# Altium PCB TestMod_SEAx_Baseboard.PcbDoc (part 1 of 2) (continued)
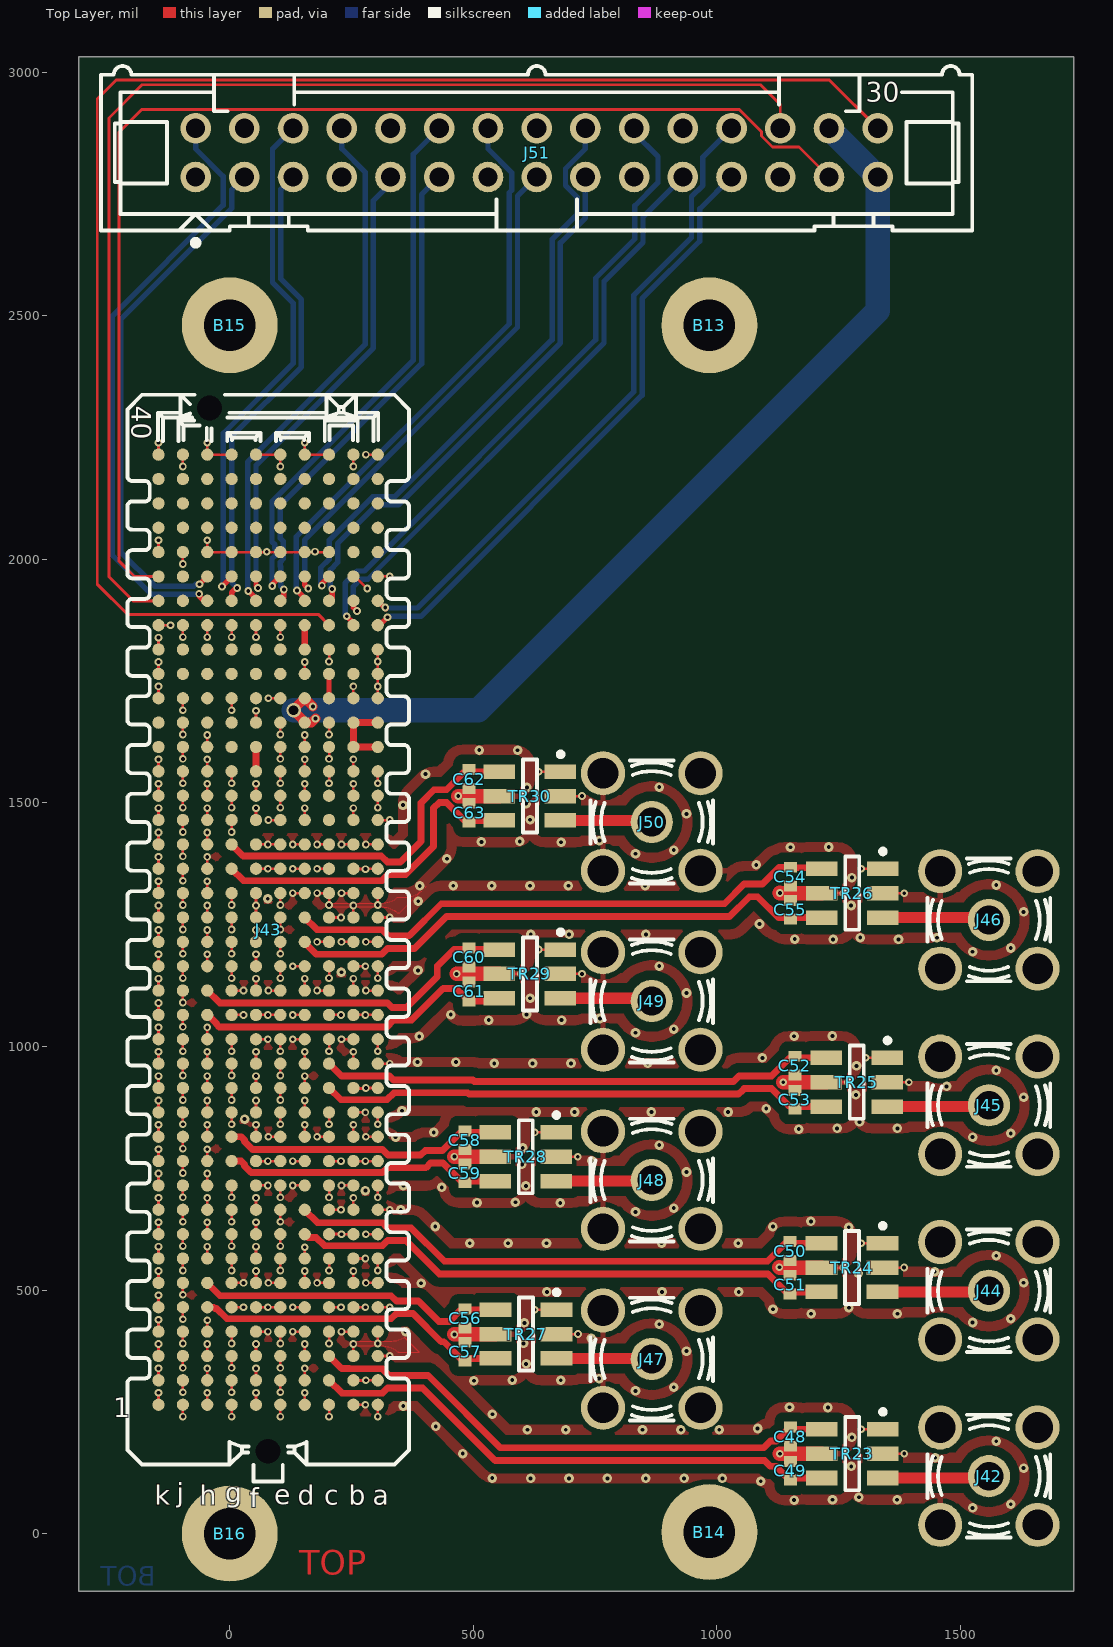
[diagram p0: Top Layer view]
## Design rules (kind name [scope] priority, off if disabled: settings) (continued)
DiffPairsRouting "Schematic Differential Pairs Routing_8" [InNet('LVDS3_P')] p25: maxlimit=6 minlimit=6 mostfreqgap=6 toplayer_minwidth=11 toplayer_maxwidth=11 toplayer_prefwidth=11 bottomlayer_minwidth=11 bottomlayer_maxwidth=11 bottomlayer_prefwidth=11 maxuncoupledlength=500
DiffPairsRouting "Schematic Differential Pairs Routing_7" [InNet('LVDS4_N')] p26: maxlimit=6 minlimit=6 mostfreqgap=6 toplayer_minwidth=11 toplayer_maxwidth=11 toplayer_prefwidth=11 bottomlayer_minwidth=11 bottomlayer_maxwidth=11 bottomlayer_prefwidth=11 maxuncoupledlength=500
DiffPairsRouting "Schematic Differential Pairs Routing_6" [InNet('LVDS4_P')] p27: maxlimit=6 minlimit=6 mostfreqgap=6 toplayer_minwidth=11 toplayer_maxwidth=11 toplayer_prefwidth=11 bottomlayer_minwidth=11 bottomlayer_maxwidth=11 bottomlayer_prefwidth=11 maxuncoupledlength=500
DiffPairsRouting "Schematic Differential Pairs Routing_5" [InNet('LVDS5_N')] p28: maxlimit=6 minlimit=6 mostfreqgap=6 toplayer_minwidth=11 toplayer_maxwidth=11 toplayer_prefwidth=11 bottomlayer_minwidth=11 bottomlayer_maxwidth=11 bottomlayer_prefwidth=11 maxuncoupledlength=500
DiffPairsRouting "Schematic Differential Pairs Routing_4" [InNet('LVDS5_P')] p29: maxlimit=6 minlimit=6 mostfreqgap=6 toplayer_minwidth=11 toplayer_maxwidth=11 toplayer_prefwidth=11 bottomlayer_minwidth=11 bottomlayer_maxwidth=11 bottomlayer_prefwidth=11 maxuncoupledlength=500
DiffPairsRouting "Schematic Differential Pairs Routing_3" [InNet('LVDS6_N')] p30: maxlimit=6 minlimit=6 mostfreqgap=6 toplayer_minwidth=11 toplayer_maxwidth=11 toplayer_prefwidth=11 bottomlayer_minwidth=11 bottomlayer_maxwidth=11 bottomlayer_prefwidth=11 maxuncoupledlength=500
DiffPairsRouting "Schematic Differential Pairs Routing_2" [InNet('LVDS6_P')] p31: maxlimit=6 minlimit=6 mostfreqgap=6 toplayer_minwidth=11 toplayer_maxwidth=11 toplayer_prefwidth=11 bottomlayer_minwidth=11 bottomlayer_maxwidth=11 bottomlayer_prefwidth=11 maxuncoupledlength=500
DiffPairsRouting "Schematic Differential Pairs Routing_1" [InNet('LVDS7_N')] p32: maxlimit=6 minlimit=6 mostfreqgap=6 toplayer_minwidth=11 toplayer_maxwidth=11 toplayer_prefwidth=11 bottomlayer_minwidth=11 bottomlayer_maxwidth=11 bottomlayer_prefwidth=11 maxuncoupledlength=500
DiffPairsRouting "Schematic Differential Pairs Routing" [InNet('LVDS7_P')] p33: maxlimit=6 minlimit=6 mostfreqgap=6 toplayer_minwidth=11 toplayer_maxwidth=11 toplayer_prefwidth=11 bottomlayer_minwidth=11 bottomlayer_maxwidth=11 bottomlayer_prefwidth=11 maxuncoupledlength=500
FabricationTestPointUsage TestPointUsage [All] p1: valid=0 allowmultiple=FALSE
FabricationTestpoint Testpoint [(IsPad And (OnTopLayer Or OnBottomLayer))] p1: side=3 testpointundercomponent=TRUE minsize=40 maxsize=100 preferedsize=60 minholesize=0 maxholesize=40 preferedholesize=32 testpointgrid=1 allowsidetop=TRUE allowsidebottom=TRUE usegrid=TRUE gridtolerance=0.01
Height Height_Top [OnTop] p1: minheight=0 maxheight=500 prefheight=350
Height Height_Bot [OnBottom] p2: minheight=0 maxheight=65 prefheight=52
HoleSize [All] p1: absolutevalues=TRUE maxlimit=1000 minlimit=1 maxpercent=80.000 minpercent=20.000
HoleToHoleClearance [All] p1: gap=5 allowstackedmicrovias=TRUE
Length [InNetClass('ADC0_D') or InNetClass('ADC1_D') or InNetClass('ADC1_D') or InNetClass('ADC3_D')] p1 off: maxlimit=688.98 minlimit=531.5
MatchedLengths [InNetClass('ADC0_D') or InNetClass('ADC1_D') or InNetClass('ADC1_D') or InNetClass('ADC3_D')] p1 off: tolerance=39.37 checknetsindiffpair=TRUE checkdiffpairvsdiffpair=FALSE checkxsignals=FALSE checkothers=FALSE
MaxMinImpedance "Schematic Impedance Constraint_1" [InNetClass('Z50R')] p1: minimum=49.00 maximum=51.00
MinimumSolderMaskSliver [All] p1 off: minsoldermaskwidth=1
PlaneClearance [All] p1: clearance=8
PlaneConnect Vias_Plane [IsVia] p1: planeconnectstyle=Direct reliefexpansion=20 reliefentries=4 reliefconductorwidth=10 reliefairgap=10
PlaneConnect PlaneConnect_LEMO [(InComponent('J1') OR  InComponent('J2') OR  InComponent('J3') OR  InComponent('J4') OR  InComponent('J5') )] p2: planeconnectstyle=Relief reliefexpansion=20 reliefentries=4 reliefconductorwidth=9.84 reliefairgap=10
PlaneConnect PlaneConnect_1 [All] p3: planeconnectstyle=Relief reliefexpansion=5 reliefentries=4 reliefconductorwidth=6 reliefairgap=8
PolygonConnect Direc [InPadClass(Direc)] p1: connectstyle=Direct reliefconductorwidth=10 reliefentries=4 polygonreliefangle="90 Angle" airgapwidth=10
PolygonConnect Vias [IsVia] p2: connectstyle=Direct reliefconductorwidth=10 reliefentries=4 polygonreliefangle="90 Angle" airgapwidth=10
PolygonConnect PolygonConnect_LEMO [(InComponent('J1') OR InComponent('J2') OR InComponent('J3') OR InComponent('J4') OR InComponent('J5'))] p3: connectstyle=Relief reliefconductorwidth=9.84 reliefentries=4 polygonreliefangle="90 Angle" airgapwidth=10
PolygonConnect PolygonConnect_1 [All] p4: connectstyle=Relief reliefconductorwidth=10 reliefentries=4 polygonreliefangle="90 Angle" airgapwidth=10
RoomDefinition TestMod_SEAx_Base [InComponentClass('TestMod_SEAx_Base')] p1 off: confinementstyle=ConfineIn formatcopy=TRUE lockcomponents=FALSE outline -1172.32,1787.6 -522.32,1787.6 -522.32,2522.6 -1172.32,2522.6
RoutingVias [All] p1: holewidth=7.87 width=15.75 viastyle="Through Hole" minholewidth=7.87 minwidth=15.75 maxholewidth=15.75 maxwidth=31.5
SilkToSilkClearance [All] p1 off: silktosilkclearance=1
SilkToSolderMaskClearance SilkscreenOverComponentPads [IsPad] p1 off: minsilkscreentomaskgap=2 clearancetoexposedcopper=TRUE
SolderMaskExpansion [All] p1: expansion=0
ViasUnderSMD ViasUnderSMD_allow [InComponent('IC1A')   or InComponent('IC1B') or InComponent('IC1C') or InComponent('IC1D') or InComponent('IC16') or InComponent('IC17') or InComponent('IC24') or InComponent('IC12') or InComponent('IC2') or  InComponent('IC6')   or InComponent('IC5') or InComponent('IC1C') or InComponent('IC7')  or InComponent('IC8')  or InComponent('IC9')  or InComponent('IC12')    or InComponent('IC10')   or InComponent('IC13')   or InComponent('IC11')   or InComponent('IC4')   or InComponent('IC25')   or InComponent('IC15')    or InComponent('IC18')] p1: allowed=TRUE
ViasUnderSMD [All] p2: allowed=FALSE
Width Width_1 [InNetClass('Z50R')] p1: maxlimit=26.18 minlimit=22.86 preferedwidth=25.44 toplayer_maxwidth=24.31 toplayer_prefwidth=23.58 bottomlayer_minwidth=24.71 impedancedriven=TRUE minimp=49.000000 maximp=51.000000 favimp=50.000000
Width Width_Pair_Diff [(InDifferentialPairClass('All Differential Pairs'))] p2: maxlimit=4 minlimit=4 preferedwidth=4 minimp=50.000000 maximp=50.000000 favimp=50.000000
Width [All] p3: maxlimit=100 minlimit=5.3 preferedwidth=5.3 minimp=50.000000 maximp=50.000000 favimp=50.000000
18 further rules are at their usual default settings.

## Classes and differential pairs
net class Z50R: NetJ42_1 NetJ44_1 NetJ45_1 NetJ46_1 NetJ47_1 NetJ48_1 NetJ49_1 NetJ50_1
differential pair DAC0_OUT: +DAC0_OUT_P -DAC0_OUT_N
differential pair ADC0_IN: +ADC0_IN_P -ADC0_IN_N
differential pair LVDS7: +LVDS7_P -LVDS7_N
differential pair LVDS6: +LVDS6_P -LVDS6_N
differential pair LVDS5: +LVDS5_P -LVDS5_N
differential pair LVDS4: +LVDS4_P -LVDS4_N
differential pair LVDS3: +LVDS3_P -LVDS3_N
differential pair LVDS2: +LVDS2_P -LVDS2_N
differential pair LVDS1: +LVDS1_P -LVDS1_N
differential pair LVDS0: +LVDS0_P -LVDS0_N
differential pair ADC1_IN: +ADC1_IN_P -ADC1_IN_N
differential pair ADC2_IN: +ADC2_IN_P -ADC2_IN_N
differential pair ADC3_IN: +ADC3_IN_P -ADC3_IN_N
differential pair DAC1_OUT: +DAC1_OUT_P -DAC1_OUT_N
differential pair DAC2_OUT: +DAC2_OUT_P -DAC2_OUT_N
differential pair DAC3_OUT: +DAC3_OUT_P -DAC3_OUT_N

## Components (designator, comment, footprint, x,y, rotation, side; value= is the part's Value field where it differs from the comment)
B13 "Plated Hole" MTG270_500 984.25,2480.32 r0 top
B14 "Plated Hole" MTG270_500 984.25,3.1 r0 top
B15 "Plated Hole" MTG270_500 0,2480.32 r0 top
B16 "Plated Hole" MTG270_500 0,0 r0 top
C48 "0.5pF" CAPC1005X50N 1150.57,199.32 r270 top
C49 "0.5pF" CAPC1005X50N 1150.57,129.32 r90 top
C50 "0.5pF" CAPC1005X50N 1150.17,580.24 r270 top
C51 "0.5pF" CAPC1005X50N 1150.17,511.24 r90 top
C52 "0.5pF" CAPC1005X50N 1159.98,960.75 r270 top
C53 "0.5pF" CAPC1005X50N 1159.98,890.75 r90 top
C54 "0.5pF" CAPC1005X50N 1150.57,1348.69 r270 top
C55 "0.5pF" CAPC1005X50N 1150.57,1280.69 r90 top
C56 "0.5pF" CAPC1005X50N 482.84,441.72 r270 top
C57 "0.5pF" CAPC1005X50N 482.84,373.72 r90 top
C58 "0.5pF" CAPC1005X50N 482.39,807.68 r270 top
C59 "0.5pF" CAPC1005X50N 482.39,739.68 r90 top
C60 "0.5pF" CAPC1005X50N 491,1182.79 r270 top
C61 "0.5pF" CAPC1005X50N 491,1113 r90 top
C62 "0.5pF" CAPC1005X50N 491,1549 r270 top
C63 "0.5pF" CAPC1005X50N 491,1480 r90 top
J42 "SMA" TYCO_5-1814832-1 1558.08,118.11 r180 top
J43 "VITA 57" SAMTEC_ASP-134488-01 78.74,1239.79 r270 top locked
J44 "SMA" TYCO_5-1814832-1 1558.08,498.69 r180 top
J45 "SMA" TYCO_5-1814832-1 1558.08,879.26 r180 top
J46 "SMA" TYCO_5-1814832-1 1558.08,1259.84 r180 top
J47 "SMA" TYCO_5-1814832-1 866.14,358.32 r90 top
J48 "SMA" TYCO_5-1814832-1 866.14,725.81 r180 top
J49 "SMA" TYCO_5-1814832-1 866.14,1093.3 r180 top
J50 "SMA" TYCO_5-1814832-1 866.14,1460.79 r270 top
J51 "=Familly" 3M_N2530-6002RB 629.92,2834.65 r0 top
TR23 "1:2" XFMR_MINI-CIRCUITS_DB1627 1277.57,164.32 r270 top
TR24 "1:2" XFMR_MINI-CIRCUITS_DB1627 1277.17,546.24 r270 top
TR25 "1:2" XFMR_MINI-CIRCUITS_DB1627 1286.98,926.75 r270 top
TR26 "1:2" XFMR_MINI-CIRCUITS_DB1627 1277.57,1314.69 r270 top
TR27 "1:2" XFMR_MINI-CIRCUITS_DB1627 607.84,409.72 r270 top
TR28 "1:2" XFMR_MINI-CIRCUITS_DB1627 607.39,773.68 r270 top
TR29 "1:2" XFMR_MINI-CIRCUITS_DB1627 616,1149 r270 top
TR30 "1:2" XFMR_MINI-CIRCUITS_DB1627 616,1514 r270 top

## Footprints (in the part's own frame and the unit in brackets; to place one, negate y for a bottom-side part, rotate by r counter-clockwise, add the part's x,y. Pads: shape width x height; smd on the part's side, far side on the other; paste and mask are expansions set on the pad)
3M_N2530-6002RB [mm] "30 Contacts - Straight .100\" x .100\" Low Profile Four-Wall Header"
  round 1.6 hole 1: 1(-17.78,-1.27) 2(-17.78,1.27) 3(-15.24,-1.27) 4(-15.24,1.27) 5(-12.7,-1.27) 6(-12.7,1.27) 7(-10.16,-1.27) 8(-10.16,1.27) 9(-7.62,-1.27) 10(-7.62,1.27) 11(-5.08,-1.27) 12(-5.08,1.27) 13(-2.54,-1.27) 14(-2.54,1.27) 15(0,-1.27) 16(0,1.27) 17(2.54,-1.27) 18(2.54,1.27) 19(5.08,-1.27) 20(5.08,1.27) 21(7.62,-1.27) 22(7.62,1.27) 23(10.16,-1.27) 24(10.16,1.27) 25(12.7,-1.27) 26(12.7,1.27) 27(15.24,-1.27) 28(15.24,1.27) 29(17.78,-1.27) 30(17.78,1.27)
  silkscreen extent -22.71,-4.85 22.71,4.52, body extent -22.71,-4.11 22.71,4.52, height 9.91
CAPC1005X50N [mm] "Chip Capacitor, Body 1.0x0.55mm, IPC Medium Density"
  rect 0.57x0.68 smd: 1(-0.49,0) 2(0.49,0)
  body extent -0.5,-0.27 0.5,0.28, height 0.5
MTG270_500 [mm] "Plated Through Hole: Hole Dia.=2.7mm Pad Dia.=5.0mm"
  round 5 hole 2.7: 1(0,0)
SAMTEC_ASP-134488-01 [mm] "Connector VITA 57, 400 Male contacts in 10 row abcdefghj"
  round 0.5 hole 1.3 unplated mask+0.4: 1(-27.191,-3.048) 2(27.191,0)
  round 0.64 smd paste+0.125: a1(24.765,5.715) a2(23.495,5.715) a3(22.225,5.715) a4(20.955,5.715) a5(19.685,5.715) a6(18.415,5.715) a7(17.145,5.715) a8(15.875,5.715) a9(14.605,5.715) a10(13.335,5.715) a11(12.065,5.715) a12(10.795,5.715) a13(9.525,5.715) a14(8.255,5.715) a15(6.985,5.715) a16(5.715,5.715) a17(4.445,5.715) a18(3.175,5.715) a19(1.905,5.715) a20(0.635,5.715) a21(-0.635,5.715) a22(-1.905,5.715) a23(-3.175,5.715) a24(-4.445,5.715) a25(-5.715,5.715) a26(-6.985,5.715) a27(-8.255,5.715) a28(-9.525,5.715) a29(-10.795,5.715) a30(-12.065,5.715) a31(-13.335,5.715) a32(-14.605,5.715) a33(-15.875,5.715) a34(-17.145,5.715) a35(-18.415,5.715) a36(-19.685,5.715) a37(-20.955,5.715) a38(-22.225,5.715) a39(-23.495,5.715) a40(-24.765,5.715) b1(24.765,4.445) b2(23.495,4.445) b3(22.225,4.445) b4(20.955,4.445) b5(19.685,4.445) b6(18.415,4.445) b7(17.145,4.445) b8(15.875,4.445) b9(14.605,4.445) b10(13.335,4.445) b11(12.065,4.445) b12(10.795,4.445) b13(9.525,4.445) b14(8.255,4.445) b15(6.985,4.445) b16(5.715,4.445) b17(4.445,4.445) b18(3.175,4.445) b19(1.905,4.445) b20(0.635,4.445) b21(-0.635,4.445) b22(-1.905,4.445) b23(-3.175,4.445) b24(-4.445,4.445) b25(-5.715,4.445) b26(-6.985,4.445) b27(-8.255,4.445) b28(-9.525,4.445) b29(-10.795,4.445) b30(-12.065,4.445) b31(-13.335,4.445) b32(-14.605,4.445) b33(-15.875,4.445) b34(-17.145,4.445) b35(-18.415,4.445) b36(-19.685,4.445) b37(-20.955,4.445) b38(-22.225,4.445) b39(-23.495,4.445) b40(-24.765,4.445) c1(24.765,3.175) c2(23.495,3.175) c3(22.225,3.175) c4(20.955,3.175) c5(19.685,3.175) c6(18.415,3.175) c7(17.145,3.175) c8(15.875,3.175) c9(14.605,3.175) c10(13.335,3.175) c11(12.065,3.175) c12(10.795,3.175) c13(9.525,3.175) c14(8.255,3.175) c15(6.985,3.175) c16(5.715,3.175) c17(4.445,3.175) c18(3.175,3.175) c19(1.905,3.175) c20(0.635,3.175) c21(-0.635,3.175) c22(-1.905,3.175) c23(-3.175,3.175) c24(-4.445,3.175) c25(-5.715,3.175) c26(-6.985,3.175) c27(-8.255,3.175) c28(-9.525,3.175) c29(-10.795,3.175) c30(-12.065,3.175) c31(-13.335,3.175) c32(-14.605,3.175) c33(-15.875,3.175) c34(-17.145,3.175) c35(-18.415,3.175) c36(-19.685,3.175) c37(-20.955,3.175) c38(-22.225,3.175) c39(-23.495,3.175) c40(-24.765,3.175) d1(24.765,1.905) d2(23.495,1.905) d3(22.225,1.905) d4(20.955,1.905) d5(19.685,1.905) d6(18.415,1.905) d7(17.145,1.905) d8(15.875,1.905) d9(14.605,1.905) d10(13.335,1.905) d11(12.065,1.905) d12(10.795,1.905) d13(9.525,1.905) d14(8.255,1.905) d15(6.985,1.905) d16(5.715,1.905) d17(4.445,1.905) d18(3.175,1.905) d19(1.905,1.905) d20(0.635,1.905) d21(-0.635,1.905) d22(-1.905,1.905) d23(-3.175,1.905) d24(-4.445,1.905) d25(-5.715,1.905) d26(-6.985,1.905) d27(-8.255,1.905) d28(-9.525,1.905) d29(-10.795,1.905) d30(-12.065,1.905) d31(-13.335,1.905) d32(-14.605,1.905) d33(-15.875,1.905) d34(-17.145,1.905) d35(-18.415,1.905) d36(-19.685,1.905) d37(-20.955,1.905) d38(-22.225,1.905) d39(-23.495,1.905) d40(-24.765,1.905) e1(24.765,0.635) e2(23.495,0.635) e3(22.225,0.635) e4(20.955,0.635) e5(19.685,0.635) e6(18.415,0.635) e7(17.145,0.635) e8(15.875,0.635) e9(14.605,0.635) e10(13.335,0.635) e11(12.065,0.635) e12(10.795,0.635) e13(9.525,0.635) e14(8.255,0.635) e15(6.985,0.635) e16(5.715,0.635) e17(4.445,0.635) e18(3.175,0.635) e19(1.905,0.635) e20(0.635,0.635) e21(-0.635,0.635) e22(-1.905,0.635) e23(-3.175,0.635) e24(-4.445,0.635) e25(-5.715,0.635) e26(-6.985,0.635) e27(-8.255,0.635) e28(-9.525,0.635) e29(-10.795,0.635) e30(-12.065,0.635) e31(-13.335,0.635) e32(-14.605,0.635) e33(-15.875,0.635) e34(-17.145,0.635) e35(-18.415,0.635) e36(-19.685,0.635) e37(-20.955,0.635) e38(-22.225,0.635) e39(-23.495,0.635) e40(-24.765,0.635) f1(24.765,-0.635) f2(23.495,-0.635) f3(22.225,-0.635) f4(20.955,-0.635) f5(19.685,-0.635) f6(18.415,-0.635) f7(17.145,-0.635) f8(15.875,-0.635) f9(14.605,-0.635) f10(13.335,-0.635) f11(12.065,-0.635) f12(10.795,-0.635) f13(9.525,-0.635) f14(8.255,-0.635) f15(6.985,-0.635) f16(5.715,-0.635) f17(4.445,-0.635) f18(3.175,-0.635) f19(1.905,-0.635) f20(0.635,-0.635) f21(-0.635,-0.635) f22(-1.905,-0.635) f23(-3.175,-0.635) f24(-4.445,-0.635) f25(-5.715,-0.635) f26(-6.985,-0.635) f27(-8.255,-0.635) f28(-9.525,-0.635) f29(-10.795,-0.635) f30(-12.065,-0.635) f31(-13.335,-0.635) f32(-14.605,-0.635) f33(-15.875,-0.635) f34(-17.145,-0.635) f35(-18.415,-0.635) f36(-19.685,-0.635) f37(-20.955,-0.635) f38(-22.225,-0.635) f39(-23.495,-0.635) f40(-24.765,-0.635) g1(24.765,-1.905) g2(23.495,-1.905) g3(22.225,-1.905) g4(20.955,-1.905) g5(19.685,-1.905) g6(18.415,-1.905) g7(17.145,-1.905) g8(15.875,-1.905) g9(14.605,-1.905) g10(13.335,-1.905) g11(12.065,-1.905) g12(10.795,-1.905) g13(9.525,-1.905) g14(8.255,-1.905) g15(6.985,-1.905) g16(5.715,-1.905) g17(4.445,-1.905) g18(3.175,-1.905) g19(1.905,-1.905) g20(0.635,-1.905) g21(-0.635,-1.905) g22(-1.905,-1.905) g23(-3.175,-1.905) g24(-4.445,-1.905) g25(-5.715,-1.905) g26(-6.985,-1.905) g27(-8.255,-1.905) g28(-9.525,-1.905) g29(-10.795,-1.905) g30(-12.065,-1.905) g31(-13.335,-1.905) g32(-14.605,-1.905) g33(-15.875,-1.905) g34(-17.145,-1.905) g35(-18.415,-1.905) g36(-19.685,-1.905) g37(-20.955,-1.905) g38(-22.225,-1.905) g39(-23.495,-1.905) g40(-24.765,-1.905) h1(24.765,-3.175) h2(23.495,-3.175) h3(22.225,-3.175) h4(20.955,-3.175) h5(19.685,-3.175) h6(18.415,-3.175) h7(17.145,-3.175) h8(15.875,-3.175) h9(14.605,-3.175) h10(13.335,-3.175) h11(12.065,-3.175) h12(10.795,-3.175) h13(9.525,-3.175) h14(8.255,-3.175) h15(6.985,-3.175) h16(5.715,-3.175) h17(4.445,-3.175) h18(3.175,-3.175) h19(1.905,-3.175) h20(0.635,-3.175) h21(-0.635,-3.175) h22(-1.905,-3.175) h23(-3.175,-3.175) h24(-4.445,-3.175) h25(-5.715,-3.175) h26(-6.985,-3.175) h27(-8.255,-3.175) h28(-9.525,-3.175) h29(-10.795,-3.175) h30(-12.065,-3.175) h31(-13.335,-3.175) h32(-14.605,-3.175) h33(-15.875,-3.175) h34(-17.145,-3.175) h35(-18.415,-3.175) h36(-19.685,-3.175) h37(-20.955,-3.175) h38(-22.225,-3.175) h39(-23.495,-3.175) h40(-24.765,-3.175) j1(24.765,-4.445) j2(23.495,-4.445) j3(22.225,-4.445) j4(20.955,-4.445) j5(19.685,-4.445) j6(18.415,-4.445) j7(17.145,-4.445) j8(15.875,-4.445) j9(14.605,-4.445) j10(13.335,-4.445) j11(12.065,-4.445) j12(10.795,-4.445) j13(9.525,-4.445) j14(8.255,-4.445) j15(6.985,-4.445) j16(5.715,-4.445) j17(4.445,-4.445) j18(3.175,-4.445) j19(1.905,-4.445) j20(0.635,-4.445) j21(-0.635,-4.445) j22(-1.905,-4.445) j23(-3.175,-4.445) j24(-4.445,-4.445) j25(-5.715,-4.445) j26(-6.985,-4.445) j27(-8.255,-4.445) j28(-9.525,-4.445) j29(-10.795,-4.445) j30(-12.065,-4.445) j31(-13.335,-4.445) j32(-14.605,-4.445) j33(-15.875,-4.445) j34(-17.145,-4.445) j35(-18.415,-4.445) j36(-19.685,-4.445) j37(-20.955,-4.445) j38(-22.225,-4.445) j39(-23.495,-4.445) j40(-24.765,-4.445) k1(24.765,-5.715) k2(23.495,-5.715) k3(22.225,-5.715) k4(20.955,-5.715) k5(19.685,-5.715) k6(18.415,-5.715) k7(17.145,-5.715) k8(15.875,-5.715) k9(14.605,-5.715) k10(13.335,-5.715) k11(12.065,-5.715) k12(10.795,-5.715) k13(9.525,-5.715) k14(8.255,-5.715) k15(6.985,-5.715) k16(5.715,-5.715) k17(4.445,-5.715) k18(3.175,-5.715) k19(1.905,-5.715) k20(0.635,-5.715) k21(-0.635,-5.715) k22(-1.905,-5.715) k23(-3.175,-5.715) k24(-4.445,-5.715) k25(-5.715,-5.715) k26(-6.985,-5.715) k27(-8.255,-5.715) k28(-9.525,-5.715) k29(-10.795,-5.715) k30(-12.065,-5.715) k31(-13.335,-5.715) k32(-14.605,-5.715) k33(-15.875,-5.715) k34(-17.145,-5.715) k35(-18.415,-5.715) k36(-19.685,-5.715) k37(-20.955,-5.715) k38(-22.225,-5.715) k39(-23.495,-5.715) k40(-24.765,-5.715)
  silkscreen extent -27.89,-7.34 28.78,7.34, body extent -27.89,-7.34 28.78,7.34, height 5.61
TYCO_5-1814832-1 [mm] "50 Ohm SMA Straight PCB Die Socket"
  round 2.2 hole 1.5: 1(0,0)
  round 2.3 hole 1.6: 2(-2.54,2.54) 2(-2.54,-2.54) 2(2.54,2.54) 2(2.54,-2.54)
  silkscreen extent -3.2,-3.2 3.2,3.2, body extent -3.2,-3.2 3.2,3.2, height 9.5
XFMR_MINI-CIRCUITS_DB1627 [mm] "MINI-CIRCUITS RF Transformer, Case DB1627 - Body 4.06X3.81mm"
  rect 0.76x1.65 smd: 1(-1.27,1.59) 2(0,1.59) 3(1.27,1.59) 4(1.27,-1.59) 5(0,-1.59) 6(-1.27,-1.59)
  silkscreen extent -2.3,-0.37 1.91,1.73, body extent -1.9,-2.03 1.91,2.03, height 4.06

## Part data
B13 B14 B15 B16: library part PLATED_HOLE2.7_PAD5.0, "Single Terminal Socket", Author="CERN DEM JMW", ComponentHeight=0mm, Component Type="Standard (No BOM)", CreateDate=27.09.2011, Family="Plated Hole", HelpURL=Undefined, LatestRevisionDate=27.09.2011, Mounted=No, PackageDescription="Plated Through Hole: Hole Dia.=2.7mm Pad Dia.=5.0mm", Part Description="Plated Through Hole: Hole Dia.=2.7mm Pad Dia.=5.0mm", Part Number=PLATED_HOLE2.7_PAD5.0, Pin Count=1, Sense=No, SMD=No, Socket=No, Status=None
C48 C49 C50 C51 C52 C53 C54 C55 C56 C57 C58 C59 C60 C61 C62 C63: library part CC0402_0.5PF_25V_0.05PF_AVX_04023J0R5ABSTR, "Non-polarised capacitor", Case=0402, Manufacturer=AVX, Manufacturer Part Number=04023J0R5ABSTR, Tolerance=±0.05pF, Voltage=25V, Author="CERN DEM JLC", ComponentHeight=0.5mm, Component Type=Standard, CreateDate=22.02.2017, HelpURL=\\cern.ch\dfs\Applications\Altium\Datasheets\CC0402_AVX_ACCU-P.pdf, LatestRevisionDate=22.02.2017, Mounted=Yes, Part Description="Thin-Film Chip Capacitors for RF Signal and Power Applications, Accu-P Series", Part Number=CC0402_0.5PF_25V_0.05PF_AVX_04023J0R5ABSTR, Pin Count=2, Sense=No, SMD=Yes, Socket=No, Status=None
J42 J44 J45 J46 J47 J48 J49 J50: library part TYCO_5-1814832-1, Manufacturer="TYCO ELECTRONICS", Manufacturer Part Number=5-1814832-1, Author="CERN DEM JLC", ComponentHeight=13.5mm, Component Type=Standard, CreateDate=17.11.2009, Family=SMA, HelpURL=\\cern.ch\dfs\Applications\Altium\Datasheets\TYCO_5-1814832-1.pdf, LatestRevisionDate=17.11.2009, Mounted=Yes, Part Description="50 Ohms SMA Straight PCB Die Socket", Part Number=TYCO_5-1814832-1, Pin Count=2, PressFit=No, Sense=No, SMD=No, Socket=No, Status=None
J43: library part SAMTEC_ASP-134488-01, "Connector VITA 57, 400 Male contacts in 10 row abcdefghj", Manufacturer=SAMTEC, Manufacturer Part Number=ASP-134488-01, Author="CERN DEM JLC", ComponentHeight=6.1mm, Component Type=Standard, CreateDate=30/04/2009, Family="VITA 57", HelpURL=\\cern.ch\dfs\Applications\Altium\Datasheets\SAMTEC_ASP-134488-01.pdf, LatestRevisionDate=17/08/2009, Mounted=Yes, Part Description="400 contacts (10 rows abcdefghj) Surface Mount Male Connector, VITA 57 (MC-HPC-10)", Part Number=SAMTEC_ASP-134488-01, Pin Count=400, SMD=Yes, Socket=No, Status=None, Table=SAMTEC
J51: library part 3M_N2530-6002RB, "Connector 30 Male", Manufacturer=3M, Manufacturer Part Number=N2530-6002RB, Author="CERN DEM JLC", ComponentHeight=10.03mm, Component Type=Standard, CreateDate=11.02.2009, Family="Header 30", HelpURL=\\cern.ch\dfs\Applications\Altium\Datasheets\3M_N2530-6002RB.pdf, LatestRevisionDate=11.08.2009, Mounted=Yes, Part Description="30 Contacts - Straight .100'' x .100'' Low Profile Four-Wall Header, 2500 Series", Part Number=3M_N2530-6002RB, Pin Count=30, PressFit=No, Sense=No, SMD=No, Socket=No, Status=None
TR23 TR24 TR25 TR26 TR27 TR28 TR29 TR30: library part XFMR_MINI-CIRCUITS_TCM2-43X+, "50 OHMS 10 to 4000 MHz RF Transformer", Manufacturer=MINI-CIRCUITS, Manufacturer Part Number=TCM2-43X+, Power=0.4W, Author="CERN DEM BC", ComponentHeight=4.06mm, Component Type=Standard, CreateDate=12.02.2016, HelpURL=\\cern.ch\dfs\Applications\Altium\Datasheets\XFMR_MINI-CIRCUITS_TCM2-43X+.pdf, LatestRevisionDate=12.02.2016, Mounted=Yes, Part Description="50 Ohms 10 to 4000MHz RF Transformer", Part Number=XFMR_MINI-CIRCUITS_TCM2-43X+, Pin Count=6, Sense=No, SMD=Yes, Socket=No, Status=None

## Via types
v1: diameter 15.75, hole 7.87, Top Layer to Bottom Layer, tented both sides, 326 vias
v2: diameter 19.68, hole 7.87, Top Layer to Bottom Layer, tented both sides, 166 vias
v3: diameter 30, hole 20, Top Layer to Bottom Layer, tented both sides, 1 vias

## Nets (pads, with @x,y where several pads share a name; then routed paths per layer and width w, separated by ;. In a path a pad name is that pad's centre, name@x,y a point inside that pad or via, vN(x,y) a via of type N, cw(c..) or ccw(c..) an arc to the next point about the centre after c; other vN are vias at no path point)
ADC0_IN_N: C49.1 J43.c2 TR23.4 | length 1103.9
  Top Layer w14: J43.c2@203.74,314.79 230.14,288.39 313.51,288.39 324.12,299 396,299 542.69,152.31 544.69,150.31 1097.92,150.31 1109.92,138.31 1117.92,138.31 1118.23,138 1122.43,138 1126.18,134.25 1126.18,132.83 1144.7,114.31 TR23.4@1214.97,114.31
ADC0_IN_P: C48.1 J43.c3 TR23.6 | length 1105.9
  Top Layer w14: J43.c3@203.74,364.79 229.64,338.89 246,338.89 246.5,338.39 313.51,338.39 326.91,325 406.77,325 412.49,319.28 555.45,176.31 1095.92,176.31 1109.92,190.31 1122.12,190.31 1126.18,194.38 1126.18,195.8 1144.69,214.31 TR23.6@1214.97,214.31
ADC1_IN_N: C51.1 J43.d8 TR24.4 | length 1118.7
  Top Layer w14: J43.d8@153.74,614.79 160.74,607.79 177.37,607.79 193.97,591.19 313.51,591.19 324.11,601.79 361.44,601.79 429.99,533.24 1104.99,533.24 1141.99,496.24 TR24.4@1214.58,496.24
ADC1_IN_P: C50.1 J43.d9 TR24.6 | length 1119.9
  Top Layer w14: J43.d9@153.74,664.79 180.14,638.39 313.51,638.39 324.11,627.79 372.21,627.79 440.76,559.24 1103.47,559.24 1140.47,596.24 TR24.6@1214.58,596.24
ADC2_IN_N: C53.1 J43.c14 TR25.4 | length 1057.6
  Top Layer w14: J43.c14@203.74,914.79 227.78,890.75 322.97,890.75 337.21,905 488.23,905 490.23,903 490.85,902.38 1044.38,902.38 1052,910 1055.75,913.75 1112.23,913.75 1149.23,876.75 TR25.4@1224.38,876.75
ADC2_IN_P: C52.1 J43.c15 TR25.6 | length 1055.8
  Top Layer w14: J43.c15@203.74,964.79 229.27,939.26 328,939.26 336.26,931 499,931 501,929 501.62,928.38 1033.62,928.38 1044.98,939.75 1112.23,939.75 1149.23,976.75 TR25.6@1224.38,976.75
ADC3_IN_N: C55.1 J43.d20 TR26.4 | length 1139.1
  Top Layer w14: J43.d20@153.74,1214.79 153.74,1213.63 178.1,1189.26 311.59,1189.26 323.8,1201.48 379.25,1201.48 444.77,1267 1025.98,1267 1066.37,1307.4 1083.6,1307.4 1126.31,1264.69 TR26.4@1214.97,1264.69
ADC3_IN_P: C54.1 J43.d21 TR26.6 | length 1135.8
  Top Layer w14: J43.d21@153.74,1264.79 178.84,1239.69 312.21,1239.69 324.43,1227.48 368.48,1227.48 434,1293 1015.21,1293 1055.6,1333.4 1093.4,1333.4 1127.98,1367.98 C54.1@1150.57,1367.98 ; C54.1@1150.57,1367 1212.66,1367 TR26.6@1214.97,1364.69
CAL_ADC_CH1: J43.g32
CAL_ADC_CH2: J43.h32
CAL_ADC_CH3: J43.j32
CAL_ADC_CH4: J43.f31
CAL_ADC_CH5: J43.g31
CAL_ADC_CH6: J43.h31
CAL_ADC_CH7: J43.j31
DAC0_OUT_N: C57.1 J43.h5 TR27.4 | length 643.8
  Top Layer w14: J43.h5@-46.26,464.79 -33.03,464.79 -30.63,462.39 -27.23,462.39 -6.03,441.19 331.31,441.19 341.9,451.79 376.16,451.79 433.98,393.98 439.25,393.98 473.51,359.72 TR27.4@545.24,359.72
DAC0_OUT_P: C56.1 J43.h6 TR27.6 | length 634.2
  Top Layer w14: J43.h6@-46.26,514.79 -19.86,488.39 331.31,488.39 341.9,477.79 386.93,477.79 428.95,435.77 451,435.77 474.95,459.72 TR27.6@545.24,459.72
DAC1_OUT_N: C59.1 J43.g11 TR28.4 | length 576
  Top Layer w14: J43.g11@3.74,764.79 23.34,764.79 30.14,757.99 30.14,755.02 43.97,741.19 313.51,741.19 323.32,751 402.32,751 412,760.68 437.55,760.68 474.55,723.68 TR28.4@544.8,723.68
DAC1_OUT_P: C58.1 J43.g12 TR28.6 | length 577.8
  Top Layer w14: J43.g12@3.74,814.79 23.34,814.79 30.14,807.99 30.14,805.02 46.77,788.39 313.51,788.39 324.91,777 391.55,777 401.23,786.68 436.92,786.68 473.92,823.68 TR28.6@544.8,823.68
DAC2_OUT_N: C61.1 J43.h17 TR29.4 | length 656.7
  Top Layer w14: J43.h17@-46.26,1064.79 -45.1,1064.79 -27.39,1047.08 -27.39,1045.92 -21.79,1040.32 322.32,1040.32 336,1054 373,1054 438,1119 465.71,1119 466.61,1118.09 466.61,1116.51 473.06,1110.07 474.64,1110.07 C61.1@491,1093.71 548.11,1093.71 TR29.4@553.4,1099
DAC2_OUT_P: C60.1 J43.h18 TR29.6 | length 675.8
  Top Layer w14: J43.h18@-46.26,1114.79 -20.47,1089 324,1089 333,1080 362.23,1080 426,1143.77 426,1165 460,1199 TR29.6@553.4,1199
DAC3_OUT_N: C63.1 J43.g23 TR30.4 | length 688
  Top Layer w14: J43.g23@3.74,1364.79 28.21,1340.32 312.64,1340.32 324.98,1352.66 360.77,1352.66 418.44,1410.33 418.44,1489.44 430,1501 445.23,1501 482.23,1464 TR30.4@553.4,1464
DAC3_OUT_P: C62.1 J43.g24 TR30.6 | length 687.7
  Top Layer w14: J43.g24@3.74,1414.79 27.53,1391 310.91,1391 323.25,1378.66 350,1378.66 392.44,1421.1 392.44,1460 392.44,1462 392.44,1500.21 419.23,1527 445.23,1527 482.23,1564 TR30.6@553.4,1564